# Altium PCB 程控放大器.PcbDoc
Units mm, origin at the board's own origin, x right, y up, seen from the top; angles counter-clockwise.
Board outline 52 x 43 mm, 2 copper layers (Top Layer, Bottom Layer); 24 components, 15 nets, 74 pads, 11 vias.
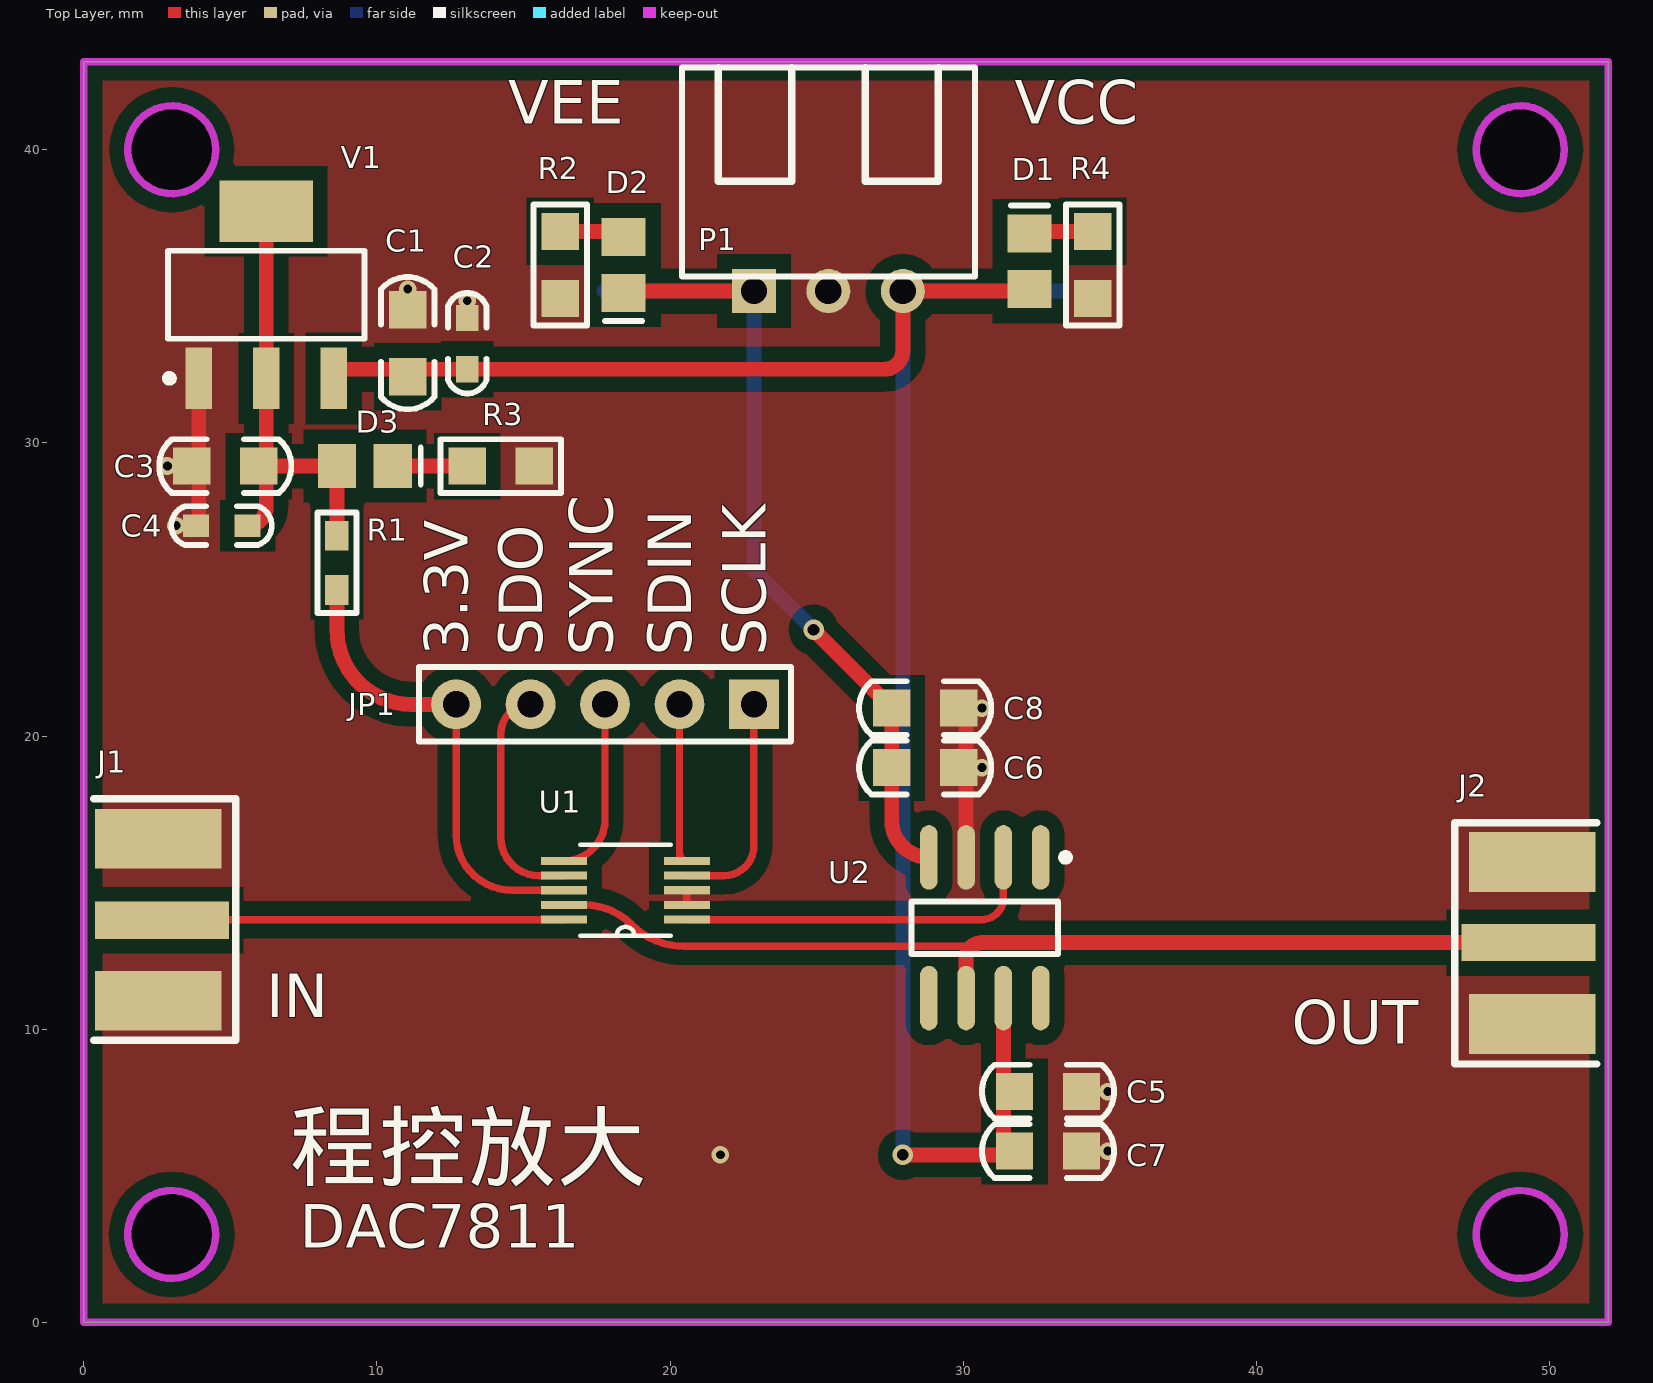
[diagram p0: Top Layer view]
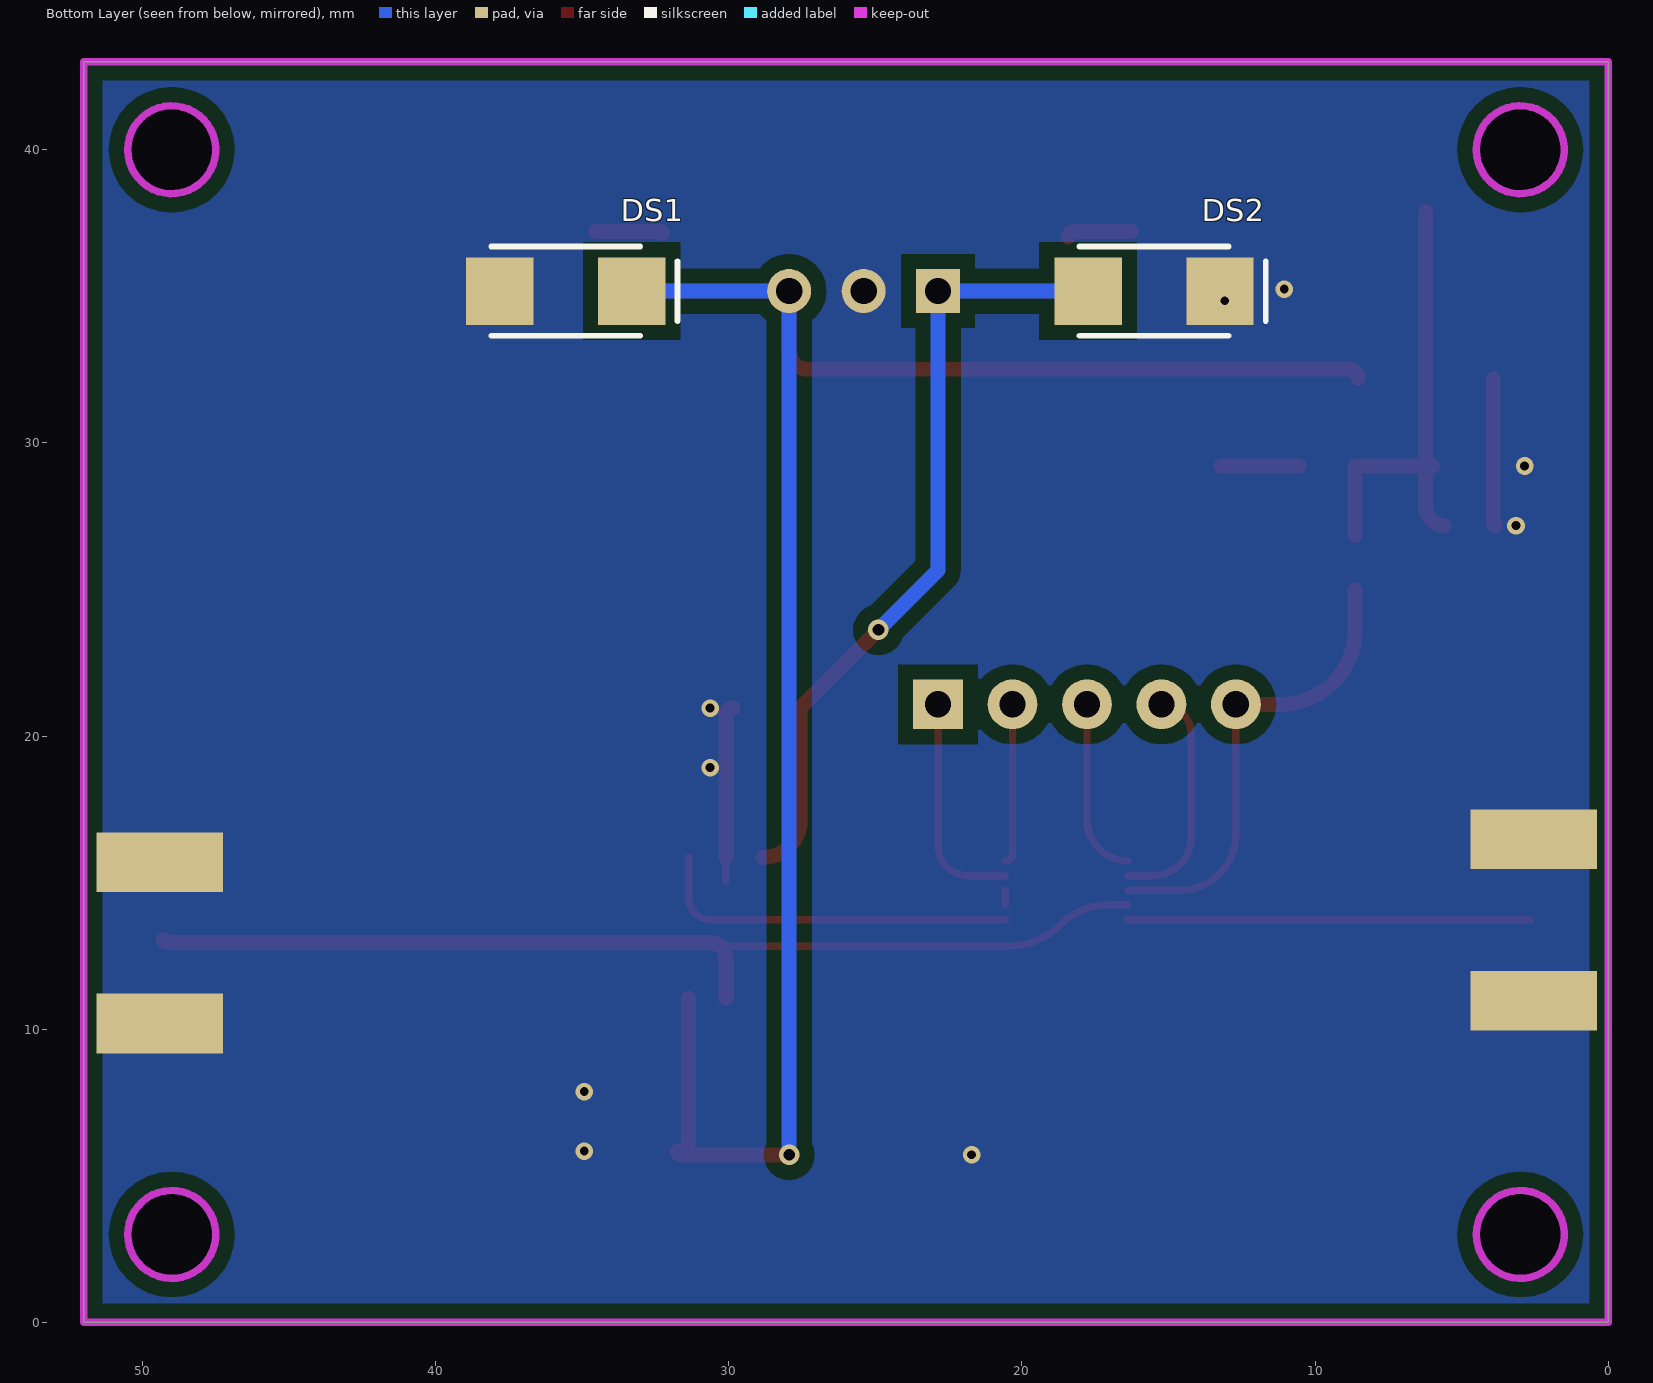
[diagram p1: Bottom Layer view, seen from below]

## Layer stack, top to bottom
Top Solder: solder mask 0.0102, Solder Resist, Dk 3.5
Top Layer: signal copper 0.0356
Dielectric 1: dielectric 0.32, FR-4, Dk 4.8
Bottom Layer: signal copper 0.0356
Bottom Solder: solder mask 0.0102, Solder Resist, Dk 3.5

## Board outline
0,0 52,0 52,43 0,43
cut-out: 47.5,40 ccw(c49,40) 49,38.5 ccw(c49,40) 50.5,40 ccw(c49,40) 49,41.5 ccw(c49,40)
cut-out: 3,38.5 cw(c3,40) 1.5,40 cw(c3,40) 3,41.5 cw(c3,40) 4.5,40 cw(c3,40)
cut-out: 47.5,3 ccw(c49,3) 49,1.5 ccw(c49,3) 50.5,3 ccw(c49,3) 49,4.5 ccw(c49,3)
cut-out: 3,1.5 cw(c3,3) 1.5,3 cw(c3,3) 3,4.5 cw(c3,3) 4.5,3 cw(c3,3)

## Design rules (kind name [scope] priority, off if disabled: settings)
Clearance [All] p1: gap=0.203 ignorepadtopadclearanceinfootprint=FALSE except(0: Arc-Hole Track-Hole SMDPad-Hole THPad-Hole Via-Hole Fill-Hole Poly-Text Poly-Hole Region-Hole Text-Hole; 0.508: Arc-Poly Track-Poly SMDPad-Poly THPad-Poly Via-Poly Fill-Poly Poly-Poly)
MinimumSolderMaskSliver [All] p1: minsoldermaskwidth=0
PolygonConnect [All] p1: connectstyle=Direct reliefconductorwidth=0.254 reliefentries=4 polygonreliefangle="90 Angle" airgapwidth=0.254
RoutingVias [All] p1: holewidth=0.711 width=1.524 viastyle="Through Hole" minholewidth=0.3 minwidth=0.6 maxholewidth=0.711 maxwidth=1.778
ShortCircuit [All] p1: allowed=TRUE
SilkToSilkClearance [All] p1: silktosilkclearance=0
SilkToSolderMaskClearance [IsPad] p1: minsilkscreentomaskgap=0 clearancetoexposedcopper=TRUE
SolderMaskExpansion [All] p1: expansion=0.102
Width [All] p1: maxlimit=2.54 minlimit=0.025 preferedwidth=0.203
26 further rules are at their usual default settings.

## Components (designator, comment, footprint, x,y, rotation, side; value= is the part's Value field where it differs from the comment)
C1 "10UF" "C 0805" 11.049,33.401 r90 top
C2 "103" "C 0603" 13.081,33.401 r90 top
C3 "10UF" "C 0805" 4.826,29.21 r180 top
C4 "103" "C 0603" 4.699,27.178 r180 top
C5 "104" "C 0805" 32.893,7.874 r180 top
C6 "104" "C 0805" 28.702,18.923 r180 top
C7 "1UF" "C 0805" 32.893,5.842 r0 top
C8 "1UF" "C 0805" 28.702,20.955 r0 top
D1 "LED" LED_0805 32.258,36.195 r90 top
D2 "LED" LED_0805 18.415,36.068 r270 top
D3 "LED" LED_0805 9.591,29.21 r0 top
DS1 "D Schottky" DIODE-SMA 35.56,35.179 r180 bottom
DS2 "D Schottky" DIODE-SMA 15.494,35.179 r180 bottom
J1 "COAX" MCX5.08-5-H 2.667,13.716 r0 top
J2 "COAX" MCX5.08-5-H 49.276,12.954 r180 top
JP1 "HDR-1X5" HDR-1X5 22.86,21.082 r180 top
P1 "Header 3" HDR3X1_B2 25.4,35.179 r0 top
R1 "0" "R 0603" 8.636,25.908 r90 top
R2 "1K" "R 0805" 16.256,36.068 r90 top
R3 "1K" "R 0805" 14.224,29.21 r0 top
R4 "1K" "R 0805" 34.417,36.068 r270 top
U1 "DAC7811" "VSSOP 10 (DGK)" 18.479,14.74 r180 top value=Value
U2 "OPA189" SOIC8_N 30.734,13.462 r270 top
V1 "AMS1117-3V3" SOT223_L 6.223,35.052 r90 top

## Footprints (in the part's own frame and the unit in brackets; to place one, negate y for a bottom-side part, rotate by r counter-clockwise, add the part's x,y. Pads: shape width x height; smd on the part's side, far side on the other; paste and mask are expansions set on the pad)
"C 0603" [mil] "无极性贴片电容"
  rect 35x30 smd: 1(-35,0) 2(34,0)
  silkscreen extent -67,-26 67,26, body extent -31,-16 31,16, height 32
"C 0805" [mil] "无极性贴片电容"
  rect 50x50 smd: 1(-45,0) 2(45,0)
  silkscreen extent -89,-36 89,36, body extent -39,-24 39,24, height 20
DIODE-SMA [mm] "贴片二极管"
  rect 2.3x2.3 smd: 1(-2.25,0) 2(2.25,0)
  silkscreen extent -2.54,-1.52 3.81,1.52, body extent -2.92,-1.4 2.92,1.4, height 3
HDR3X1_B2 [mm] "Connector; Header; 3 Position"
  rect 1.5x1.5 hole 0.9: 1(-2.54,0)
  round 1.5 hole 0.9: 2(0,0) 3(2.54,0)
  silkscreen extent -5,0.5 5,7.62, body extent -5,0.5 5,7.62, height 6
HDR-1X5 [mm] "排针，5脚"
  rect 1.7x1.7 hole 0.9: 1(0,0)
  round 1.7 hole 0.9: 2(2.54,0) 3(5.08,0) 4(7.62,0) 5(10.16,0)
  silkscreen extent -1.27,-1.27 11.43,1.27, body extent -1.27,-1.27 11.43,1.27, height 8.5
LED_0805 [mm] "贴片二极管"
  rect 1.3x1.5 smd: 1(-0.95,0) 2(0.95,0)
  silkscreen extent 1.91,-0.63 1.91,0.64
MCX5.08-5-H [mil]
  rect 180x50 smd: 1(0,0)
  rect 170x80 smd: 2(-5,109.25) 5(-5,-108.27)
  rect 170x80 smd far side: 3(-5,108.66) 4(-5,-107.87)
  silkscreen extent -92,-161 99,163, body extent -93,-132 80,134, height 39
"R 0603" [mil] "1/10W贴片电阻"
  rect 40x31.5 smd: 1(-36.5,0) 2(36.5,0)
  silkscreen extent -68,-26 68,26, body extent -31,-16 32,16, height 16
"R 0805" [mil] "1/8W贴片电阻"
  rect 50x50 smd: 1(-45,0) 2(45,0)
  silkscreen extent -81,-36 81,36, body extent -39,-25 39,25, height 20
SOIC8_N [mm] "8-Pin Small Outline Integrated Circuit Package (SOIC8), IPC Medium Density"
  oval 2.2x0.6 smd: 1(-2.4,1.905) 2(-2.4,0.635) 3(-2.4,-0.635) 4(-2.4,-1.905) 5(2.4,-1.905) 6(2.4,-0.635) 7(2.4,0.635) 8(2.4,1.905)
  silkscreen extent -2.52,-2.5 0.9,2.88, body extent -1.95,-2.45 1.95,2.45, height 1.75
SOT223_L [mm] "SOT223, 4-Leads, Body 6.5x3.5mm, Pitch 2.3mm, Lead Span 7mm, IPC High Density"
  rect 2.1x0.9 smd: 1(-2.85,2.3) 2(-2.85,0) 3(-2.85,-2.3)
  rect 2.1x3.2 smd: 4(2.85,0)
  silkscreen extent -2.97,-3.35 1.5,3.42, body extent -1.85,-3.35 1.85,3.35, height 1.7
"VSSOP 10 (DGK)" [mil]
  rect 62x11 smd: 1(-82.5,39.37) 2(-82.5,19.68) 3(-82.5,0) 4(-82.5,-19.68) 5(-82.5,-39.37) 6(82.5,-39.37) 7(82.5,-19.68) 8(82.5,0) 9(82.5,19.68) 10(82.5,39.37)
  silkscreen extent -61,-61 61,61, body extent -65,-60 65,60, height 43

## Part data
C1 C2 C3 C4 C5 C6 C7 C8: library part C, "无极性贴片电容"
D1 D2 D3: "发光二极管", LatestRevisionDate=08-Jul-2005, LatestRevisionNote="Mech Layer 1 removed.", PackageReference=LED, Published=8-Jun-2000, Publisher="Altium Limited"
DS1 DS2: "Schottky Diode", Code_JEDEC=DO-214-AA, LatestRevisionDate=17-Jul-2002, LatestRevisionNote="Re-released for DXP Platform.", PackageDescription="DO-214-AA/SMB; 2 C-Bend Leads; Body 5.3 x 3.6 mm, inc. leads (LxW)", PackageReference=SMB, Published=8-Jun-2000, Publisher="Altium Limited"
JP1: library part "Header 5", "5P接插件"
P1: "接插件", LatestRevisionDate=17-Jul-2002, LatestRevisionNote="Re-released for DXP Platform.", Publisher="Altium Limited"
R1 R2 R3 R4: library part R, "贴片电阻"
U1: "12-Bit, Serial Input, Multiplying Digital-to-Analog Converter", Manufacturer="Texas Instruments", Manufacturer_Part_Number=dac7811_dgs_10, PACKAGE_DESIGNATOR=DGS, Datasheet URL=http://www.ti.com/lit/gpn/DAC7811, FAMILY_NAME="PRECISION DAC (=<10MSPS)", GENERIC_PART_NUMBER=DAC7811, INDUSTRY_STD_PKG_TYPE=MSOP, PIN_COUNT=10, RefDes=RefDes, Type=DEV, Vendor="Texas Instruments"
U2: "支持多路复用器的 14MHz、低噪声、零漂移、RRO、CMOS 精密运算放大器"
V1: library part AMS1117, "三端稳压芯片", BOM名称=ÎÈÑ, 学习资源=www.ooocke.

## Via types
v1: diameter 0.6, hole 0.3, Top Layer to Bottom Layer, tented both sides, 9 vias
v2: diameter 0.7, hole 0.4, Top Layer to Bottom Layer, tented both sides, 2 vias

## Nets (pads, with @x,y where several pads share a name; then routed paths per layer and width w, separated by ;. In a path a pad name is that pad's centre, name@x,y a point inside that pad or via, vN(x,y) a via of type N, cw(c..) or ccw(c..) an arc to the next point about the centre after c; other vN are vias at no path point)
3.3V: C3.1 C4.1 D3.1 R1.2 V1.2 | length 16.1
  Top Layer w0.508: C4.1 ccw(c5.588,27.813) 6.223,27.813 C3.1@6.223,29.21 ; C3.1 C3.1@6.223,29.21 ; 6.223,37.902 V1.2 C3.1@6.223,29.21 ; R1.2 8.638,26.838 8.638,29.208 D3.1 C3.1@6.223,29.21
+12V: C1.1 C2.1 C5.2 C7.1 D1.1 DS1.2 P1.3 U2.7 V1.3 | length 70.5
  Top Layer w0.508: V1.3 cw(c8.833,32.202) 8.833,32.512 C2.1 27.305,32.512 ccw(c27.305,33.147) 27.94,33.147 P1.3 32.192,35.179 ccw(c32.192,35.245) D1.1 ; v2(27.94,5.715) 31.623,5.715 ccw(c31.623,5.842) C7.1 cw(c31.75,6.223) 31.369,6.223 U2.7
  Bottom Layer w0.508: v2(27.94,5.715) P1.3 DS1.2
-12V: C6.2 C8.1 D2.2 DS2.1 P1.1 U2.4 | length 31.6
  Top Layer w0.508: D2.2 cw(c18.476,35.118) 18.476,35.179 P1.1 ; v2(24.892,23.622) C8.1 C6.2 27.559,17.132 ccw(c28.829,17.132) U2.4
  Bottom Layer w0.508: DS2.1 P1.1 22.86,25.654 v2(24.892,23.622)
GND: C1.2 C2.2 C3.2 C4.2 C5.1 C6.1 C7.2 C8.2 DS1.1 DS2.2 J1.2 J1.3 J1.4 J1.5 J2.2 J2.3 J2.4 J2.5 P1.2 R2.1 R3.2 R4.2 U1.2 U1.3 U2.3 V1.1 | length 11.6
  Top Layer w0.254: U1.2 U1.3 ; U2.3@30.099,15.062 U2.3
  Top Layer w0.508: C4.2 ccw(c3.835,27.266) 3.923,27.266 V1.1 ; C8.2 cw(c29.845,20.701) 30.099,20.701 U2.3
  other v1: 21.717,5.715 34.925,5.842 34.925,7.874 30.636,18.923 30.636,20.955 3.148,27.178 2.852,29.21 13.081,34.851 11.049,35.245
NetD1_2: D1.2 R4.1 | length 2.3
  Top Layer w0.508: D1.2 cw(c32.324,37.145) 32.324,37.211 R4.1@34.544,37.211
NetD2_1: D2.1 R2.2 | length 2.3
  Top Layer w0.508: R2.2 18.222,37.211 cw(c18.222,37.018) D2.1
NetD3_2: D3.2 R3.1 | length 2.7
  Top Layer w0.508: D3.2 R3.1@13.208,29.21
NetJ1_1: J1.1 U1.10 | length 13.7
  Top Layer w0.254: J1.1 2.691,13.74 U1.10
NetJ2_1: J2.1 U1.9 U2.6 | length 35.1
  Top Layer w0.254: U1.9 17.072,14.24 cw(c17.072,11.956) 18.687,13.571 ccw(c20.483,15.367) 20.483,12.827 30.226,12.827
  Top Layer w0.508: U2.6 30.099,12.422 cw(c30.631,12.422) 30.631,12.954 49.168,12.954 ccw(c49.168,13.062) J2.1@49.276,13.062
NetU1_1: U1.1 U2.2 | length 12.6
  Top Layer w0.254: U1.1 30.631,13.74 ccw(c30.631,14.478) 31.369,14.478 U2.2
SCLK: JP1.1 U1.4 | length 7.7
  Top Layer w0.254: U1.4 21.844,15.24 ccw(c21.844,16.256) 22.86,16.256 JP1.1
SDIN: JP1.2 U1.5 | length 5.5
  Top Layer w0.254: JP1.2 20.32,15.994 ccw(c20.574,15.994) U1.5
SDO: JP1.4 U1.7 | length 8
  Top Layer w0.254: JP1.4 ccw(c15.24,20.066) 14.224,20.066 14.224,16.541 ccw(c15.525,16.541) 15.525,15.24 U1.7
SYNC: JP1.3 U1.6 | length 6.1
  Top Layer w0.254: U1.6 ccw(c16.383,17.137) 17.78,17.137 JP1.3
VDD: JP1.5 R1.1 U1.8 | length 16.1
  Top Layer w0.254: JP1.5 12.7,16.645 ccw(c14.605,16.645) 14.605,14.74 U1.8
  Top Layer w0.508: R1.1 8.636,23.622 ccw(c11.176,23.622) 11.176,21.082 JP1.5
pads on no net: U2.1 U2.5 U2.8 V1.4

## Polygon pours and split planes (outlines as drawn)
GND on Top Layer "Top Layer-No Net" (solid, remove dead copper, pour order 0): 0,0 52,0 52,43 0,43
GND on Bottom Layer "Top Layer-No Net1" (solid, remove dead copper, pour order 1): 0,0 52,0 52,43 0,43

## Keep-outs
Keep-Out Layer:
  circle w0.254: c3,3 r1.5
  circle w0.254: c49,3 r1.5
  circle w0.254: c49,40 r1.5
  circle w0.254: c3,40 r1.5
  lines w0.254: 0,0 0,43 52,43 52,0 0,0

## Silkscreen, mask and mechanical layers (free items; w line width, h text height)
Top Overlay:
  text "VEE" at 14.478,40.386 h2.54
  text "VCC" at 31.75,40.386 h2.54
  text "3.3V" at 13.589,22.733 h2.54 r90
  text "SDO" at 16.129,22.733 h2.54 r90
  text "SYNC" at 18.542,22.733 h2.54 r90
  text "SDIN" at 21.209,22.733 h2.54 r90
  text "SCLK" at 23.749,22.733 h2.54 r90
  text "IN" at 6.223,9.906 h2.54
  text "OUT" at 41.199,9.017 h2.54
  text "程控放大" at 6.985,4.191 h3.81
  text "DAC7811" at 7.366,2.044 h2.54